# Altium PCB RFID_PCB.PcbDoc (part 3 of 4)
Units mil, origin at the board's own origin, x right, y up, seen from the top; angles counter-clockwise.
Board outline 6299.21 x 3937.01 mil, 2 copper layers (Top Layer, Bottom Layer); 297 components, 238 nets, 1087 pads, 705 vias.
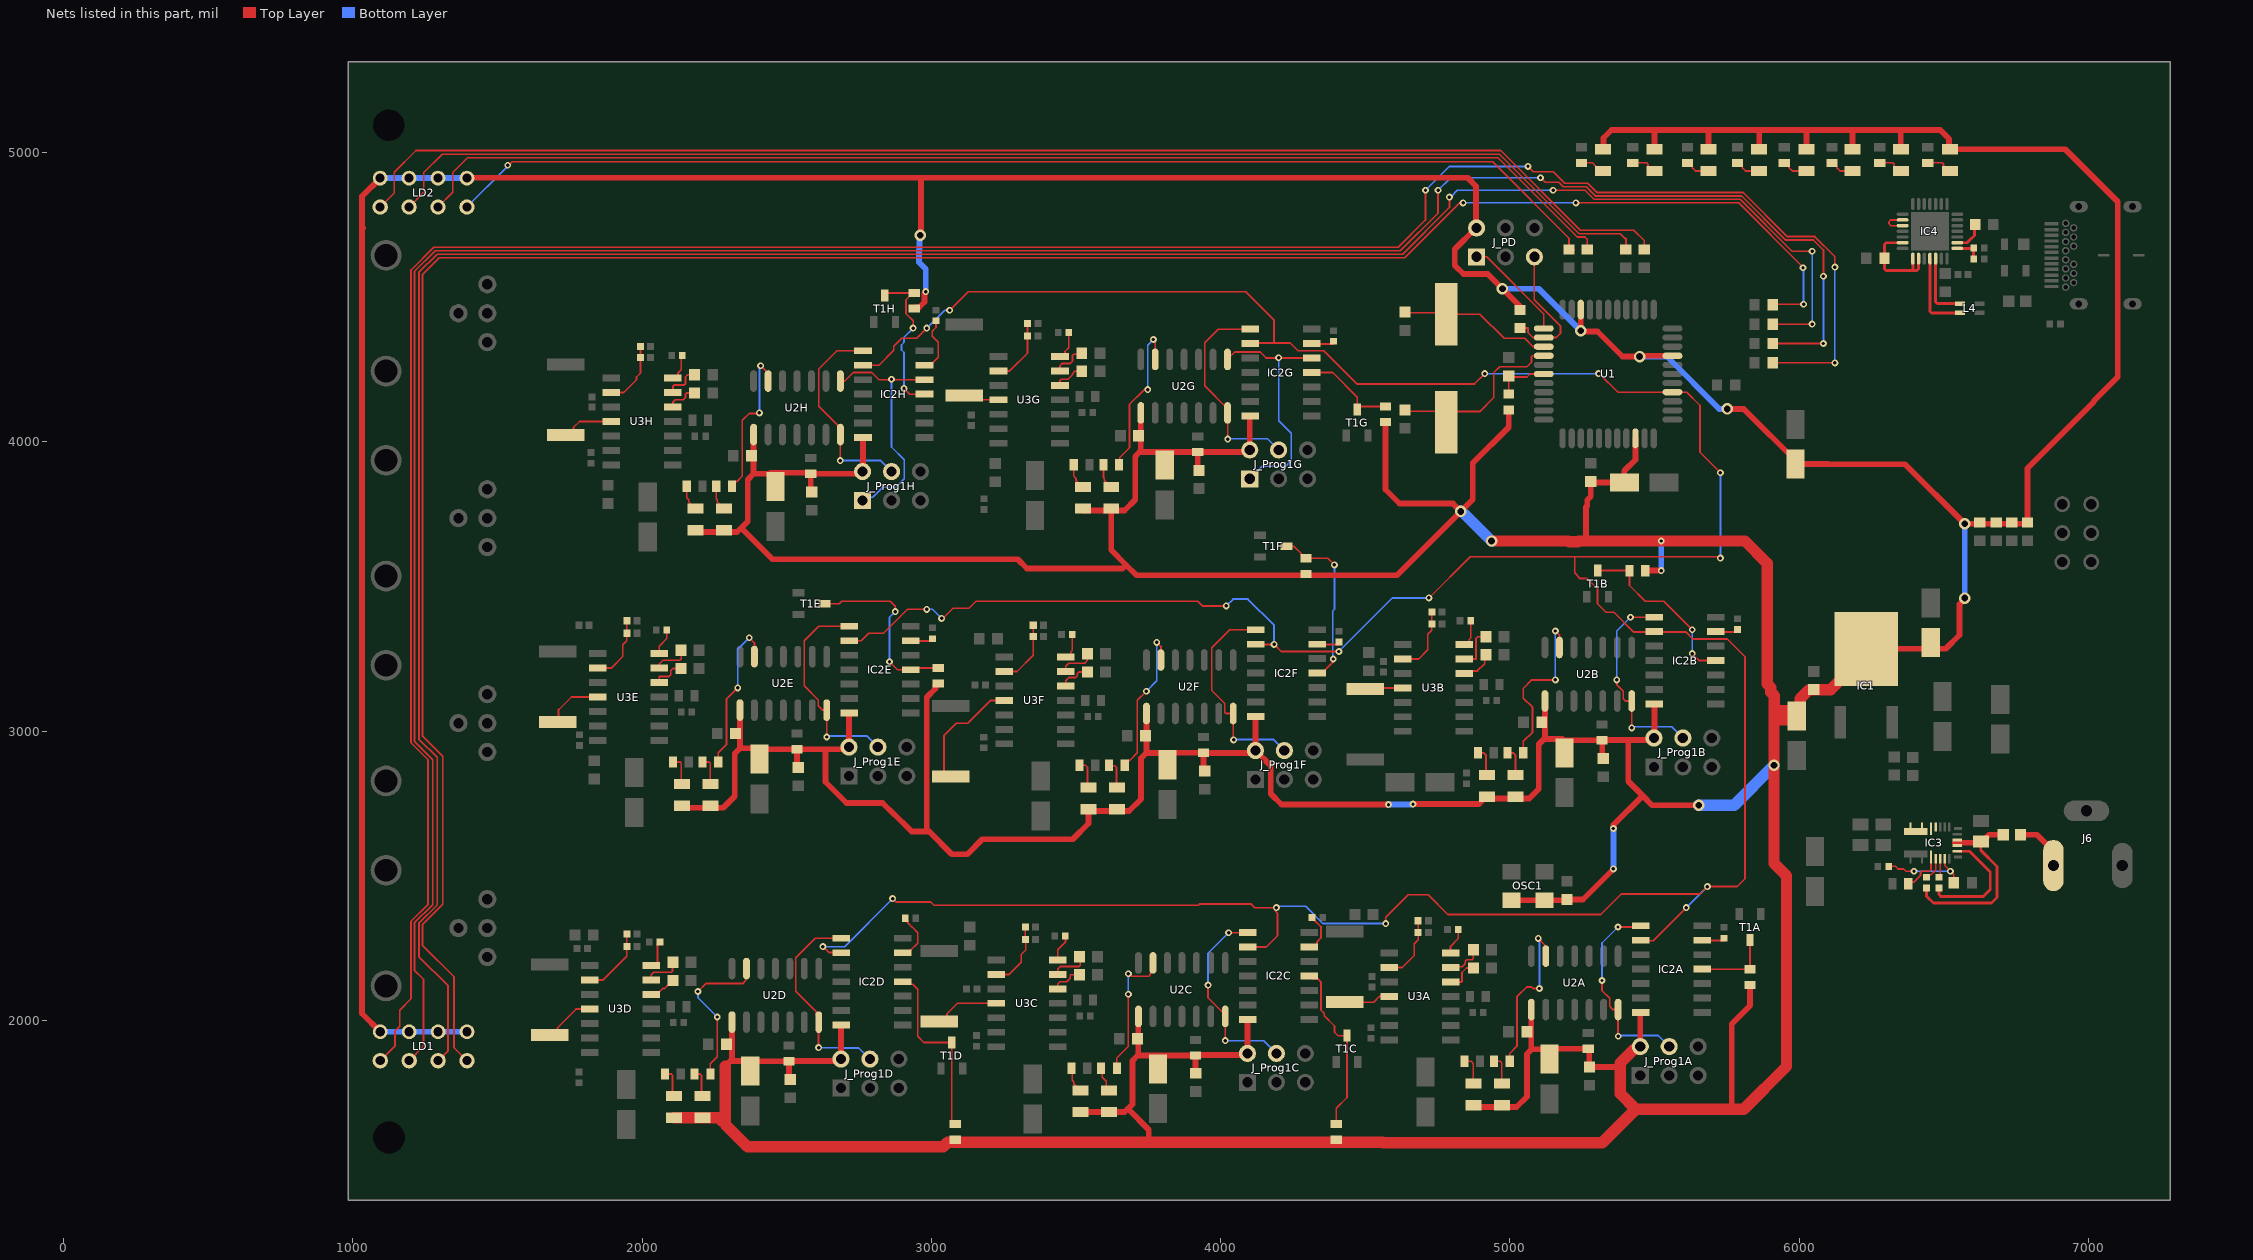
[diagram p3: the nets of this part, all layers, seen from the top]

## Via types
v1: diameter 23.62, hole 11.81, Top Layer to Bottom Layer, tented both sides, 644 vias
v2: diameter 39.37, hole 23.62, Top Layer to Bottom Layer, tented both sides, 61 vias

## Nets (pads, with @x,y where several pads share a name; then routed paths per layer and width w, separated by ;. In a path a pad name is that pad's centre, name@x,y a point inside that pad or via, vN(x,y) a via of type N, cw(c..) or ccw(c..) an arc to the next point about the centre after c; other vN are vias at no path point) (continued)
MISOG: IC2G.5 J_Prog1G.1 U2G.8 | length 854.2
  Top Layer w6: U2G.8@4024.02,4285.43 4049.55,4310.97 4136.6,4310.97 4157.41,4290.16 IC2G.5@4314.96,4290.16
  Bottom Layer w6: J_Prog1G.1@4100.79,3872.44 4144.18,3915.83 4225.12,3915.83 4244.62,3935.33 4244.62,4030.02 4200.79,4073.86 v1(4200.79,4291.34)
MISOH: IC2H.5 J_Prog1H.1 U2H.8 | length 849.7
  Top Layer w6: U2H.8@2685.43,4210.63 2700.63,4210.63 2730,4240 2794.18,4240 2818.83,4215.35 IC2H.5@2976.38,4215.35
  Bottom Layer w6: J_Prog1H.1@2762.2,3797.64 2773.19,3808.62 2797.22,3808.62 2832.27,3843.67 2876.35,3843.67 2905.8,3873.13 2905.8,3938.85 2862.2,3982.45 v1(2862.2,4216.54)
MOSI: IC2A.9 IC2B.9 IC2C.9 IC2D.9 IC2E.9 IC2F.9 IC2G.9 IC2H.9 U1.15 | length 12914.4
  Top Layer w6: v1(2625,2255) 2645,2235 2687.83,2235 IC2D.9@2688.98,2233.86 ; IC2E.9@2716.54,3312.6 2757.48,3312.6 2783.46,3338.58 2834.65,3338.58 2917.32,3421.26 v1(2984.25,3421.26) ; IC2H.9@2763.78,4265.35 2818.9,4265.35 2870.08,4316.54 2870.08,4330.71 2897.64,4358.27 2948.82,4358.27 v1(2984.25,4393.7) ; v1(2866.14,2421.26) 2877.75,2409.64 2997.1,2409.64 3008.91,2397.83 3923.51,2397.83 3928.39,2402.7 4104.95,2402.7 4117.88,2389.76 v1(4192.91,2389.76) 4189.54,2386.39 4189.54,2378 4196.85,2370.69 4196.85,2292.52 4157.87,2253.54 IC2C.9@4094.49,2253.54 ; v1@3037.4,3387.8 3074.61,3425.01 3130.11,3425.01 3154.11,3449.01 3921.07,3449.01 3937.01,3433.06 v1(4019.68,3433.06) ; v1(3062.99,4455.51) 3063.41,4455.51 3127.59,4519.69 4086.61,4519.69 4185.04,4421.26 4185.04,4342.52 ; IC2G.9@4102.36,4340.16 4104.72,4342.52 4185.04,4342.52 ; IC2F.9@4122.05,3300.79 4122.83,3300 v1(4185,3300) 4209.41,3275.59 v1(4408.93,3275.59) ; v1(4570.87,2334.65) 4570.87,2356.2 4648.86,2434.2 4717.77,2434.2 4785.83,2366.14 5314.77,2366.14 5385.83,2437.2 5657.67,2437.2 v1(5683.07,2462.6) 5785.43,2462.6 5813.57,2490.74 5813.57,3123.04 5813.44,3123.17 5813.44,3257.42 5751.97,3318.9 5633.21,3318.9 5609.58,3342.52 IC2B.9@5501.57,3342.52 ; v1(4720.47,3460.63) 4863.33,3603.49 5224.41,3603.49 5224.41,3603.23 ; v1(4913.39,4236.22) 4877.95,4200.79 4470.72,4200.79 4356.54,4314.96 4267.72,4314.96 4240.16,4342.52 4185.04,4342.52 ; v1(5307.09,4236.22) 5309.8,4236.22 5374.02,4172.01 U1.15@5562.44,4172.01 5611.46,4172.01 5657.48,4125.98 5657.48,3964.57 v1(5728.35,3893.7) ; IC2A.9@5452.76,2277.17 5454.33,2275.59 5496.06,2275.59 v1(5610.24,2389.76) ; IC2B.9@5500,3344.09 IC2B.9@5501.57,3342.52 ; v1(5728.35,3598.43) 5728.35,3603.23 5224.41,3603.23 ; 5224.41,3603.23 5224.41,3547.24 5244.09,3527.56 5267.34,3527.56 5303.15,3491.75 5303.15,3440.94 5332.68,3411.42 5360.24,3411.42 5429.13,3342.52 IC2B.9@5501.57,3342.52
  Bottom Layer w6: v1(2625,2255) 2699.88,2255 v1(2866.14,2421.26) ; v1(2984.25,3421.26) 3003.94,3421.26 v1(3035.43,3389.76) ; v1(2984.25,4393.7) 3045.81,4455.26 3062.74,4455.26 v1(3062.99,4455.51) ; v1(4019.68,3433.06) 4043.31,3456.69 4094.49,3456.69 4185,3366.18 v1(4185,3300) ; v1(4192.91,2389.76) 4197.98,2394.83 4294.15,2394.83 4354.33,2334.65 v1(4570.87,2334.65) ; v1(4408.93,3275.59) 4593.97,3460.63 v1(4720.47,3460.63) ; v1(4913.39,4236.22) v1(5307.09,4236.22) ; v1(5610.24,2389.76) v1(5683.07,2462.6) ; v1(5728.35,3598.43) v1(5728.35,3893.7)
MOSIA: IC2A.8 J_Prog1A.4 U2A.7 | length 717.9
  Top Layer w6: v1(5318.9,2137.8) 5318.9,2102.36 5345.22,2076.04 5345.22,2048.48 5356.3,2037.4 U2A.7@5374.41,2037.4 5374.41,1944.49 v1@5377.95,1940.94 ; v1(5374.02,2322.83) 5448.43,2322.83 IC2A.8@5452.76,2327.17
  Bottom Layer w6: v1(5318.9,2137.8) 5318.9,2267.72 v1(5374.02,2322.83) ; v1@5375,1942.05 v1@5377.95,1945 ; v1(5375,1945) 5377.98,1947.98 5512.65,1947.98 J_Prog1A.4@5551.18,1909.45
MOSIB: IC2B.8 J_Prog1B.4 U2B.7 | length 718.2
  Top Layer w6: v1(5370.08,3177.17) 5370.08,3160.93 5392.46,3138.54 5392.46,3111.47 5399.61,3104.33 U2B.7@5421.65,3104.33 v1(5421.65,3011.42) v1@5425.2,3007.87 ; v1(5417.32,3393.7) 5417.72,3394.09 IC2B.8@5500,3394.09
  Bottom Layer w6: v1(5370.08,3177.17) 5370.08,3346.46 v1(5417.32,3393.7) ; v1(5421.65,3011.42) 5425.14,3014.91 5559.9,3014.91 J_Prog1B.4@5598.43,2976.38
MOSIC: IC2C.8 J_Prog1C.4 U2C.7 | length 689.3
  Top Layer w6: v1(3956.69,2122.05) 3956.69,2078.27 4016.14,2018.8 U2C.7@4016.14,2013.78 v1(4016.14,1930) ; v1(4027.56,2303.15) 4094.09,2303.15 IC2C.8@4094.49,2303.54
  Bottom Layer w6: v1(3956.69,2122.05) 3956.69,2232.27 ; 3956.68,2232.28 v1(4027.56,2303.15) ; v1(4016.14,1930) 4148.74,1930 J_Prog1C.4@4192.91,1885.83
MOSID: IC2D.8 J_Prog1D.4 U2D.7 | length 723
  Top Layer w6: v1(2610,1905.81) 2610,1993.46 U2D.7@2610.63,1994.09 2610.63,2008.27 2602.49,2016.41 2602.49,2030.17 2531.5,2101.17 2531.5,2216.54 2598.82,2283.86 IC2D.8@2688.98,2283.86
  Bottom Layer w6: v1(2610,1905.81) 2679.96,1905.81 2681.1,1904.67 2748.87,1904.67 J_Prog1D.4@2787.4,1866.14
MOSIE: IC2E.8 J_Prog1E.4 U2E.7 | length 749.4
  Top Layer w6: v1@2641.73,2976.38 v1(2638.19,2979.92) U2E.7@2638.19,3072.83 2624.02,3072.83 2609,3087.85 2609,3107.92 2560.18,3156.73 2560.18,3312.15 2610.63,3362.6 IC2E.8@2716.54,3362.6
  Bottom Layer w6: v1(2638.19,2979.92) 2641.8,2983.53 2776.47,2983.53 J_Prog1E.4@2815,2945
MOSIF: IC2F.8 J_Prog1F.4 U2F.7 | length 741.6
  Top Layer w6: v1@4047.24,2964.57 4047.24,2970 4043.7,2973.54 U2F.7@4043.7,3061.02 4017.72,3061.02 4014.51,3064.23 4014.51,3095.72 3969.63,3140.61 3969.63,3288.53 4031.89,3350.79 IC2F.8@4122.05,3350.79
  Bottom Layer w6: v1(4045,2970) 4046.6,2971.6 4181.94,2971.6 J_Prog1F.4@4220.47,2933.07
MOSIG: IC2G.8 J_Prog1G.4 U2G.7 | length 738.7
  Top Layer w6: v1@4025,4006.5 v1@4027.56,4003.94 ; v1(4025,4010) 4025,4099.41 U2G.7@4024.02,4100.39 4024.02,4115 3944.88,4194.14 3944.88,4342.52 3992.52,4390.16 IC2G.8@4102.36,4390.16
  Bottom Layer w6: v1(4025,4010) 4025.97,4010.97 4162.26,4010.97 J_Prog1G.4@4200.79,3972.44
MOSIH: IC2H.8 J_Prog1H.4 U2H.7 | length 720.5
  Top Layer w6: v1(2685,3935.64) 2685,4025.16 U2H.7@2685.43,4025.59 2685.43,4048.72 2610.63,4123.53 2610.63,4252.36 2673.62,4315.35 IC2H.8@2763.78,4315.35
  Bottom Layer w6: v1(2685,3935.64) 2685.53,3936.17 2823.68,3936.17 J_Prog1H.4@2862.2,3897.64
NetC4A_2: C4A.2 C30A.2 U3A.2 | length 229.8
  Top Layer w6: U3A.2@4582.68,2182.68 4627.68,2182.68 4669.29,2224.29 4669.29,2264.96 4683.07,2278.74 C4A.2@4683.07,2303.15 C30A.2@4683.07,2344.56
NetC4B_2: C4B.2 C30B.2 U3B.2 | length 235.4
  Top Layer w6: U3B.2@4629.92,3249.61 4684.61,3249.61 4716.54,3281.54 4716.54,3334.65 4730.31,3348.43 C4B.2@4730.31,3370.08 C30B.2@4730.31,3411.42
NetC4C_2: C4C.2 C30C.2 U3C.2 | length 233.1
  Top Layer w6: U3C.2@3224.41,2159.06 3269.06,2159.06 3311.02,2201.02 3311.02,2227.76 3326.77,2243.5 3326.77,2277.56 C4C.2@3324.8,2279.53 C30C.2@3324.8,2322.83
NetC4D_2: C4D.2 C30D.2 U3D.2 | length 239.5
  Top Layer w6: U3D.2@1818.9,2139.37 1864.37,2139.37 1946.85,2221.85 C4D.2@1946.85,2255 C30D.2@1946.85,2299.21
NetC4E_2: C4E.2 C30E.2 U3E.2 | length 232.7
  Top Layer w6: U3E.2@1846.46,3218.11 1893.11,3218.11 1933.07,3258.07 1933.07,3298.33 1946.85,3312.11 C4E.2@1946.85,3338.58 C30E.2@1946.85,3381.89
NetC4F_2: C4F.2 C30F.2 U3F.2 | length 227.4
  Top Layer w6: U3F.2@3251.97,3206.3 3296.3,3206.3 3352.36,3262.36 C4F.2@3352.36,3326.77 C30F.2@3352.36,3366.14
NetC4G_2: C4G.2 C30G.2 U3G.2 | length 227.9
  Top Layer w6: U3G.2@3232.28,4245.67 3270.67,4245.67 3332.68,4307.68 C4G.2@3332.68,4366.14 C30G.2@3332.68,4409.45
NetC4H_2: C4H.2 C30H.2 U3H.2 | length 226.1
  Top Layer w6: U3H.2@1893.7,4170.87 1935.87,4170.87 1980.32,4215.31 1980.32,4224.41 1994.09,4238.19 C30H.2@1994.09,4330.71
NetC7_2: C7.2 L1.1 U1.39 | length 187.8
  Top Layer w6: L1.1@4996.06,4162.56 L1.1@4996.06,4165.35 4996.06,4224.57 5059.57,4224.57 5070,4235 U1.39@5117.56,4235
NetC8_2: C8.2 Q1.1 U1.37 | length 624
  Top Layer w6: C8.2@4637.8,4110.24 4641.54,4106.5 4818.5,4106.5 4820,4105 4896.34,4105 4944.88,4153.54 4944.88,4240.16 4964.72,4260 5059.4,4260 5075,4275.6 5075,4295 5077.99,4297.99 U1.37@5117.56,4297.99
NetC9_2: C9.2 Q1.2 U1.36 | length 540.7
  Top Layer w6: C9.2@4625.98,4444.88 4627.6,4446.5 4815.51,4446.5 4820,4442.01 4896.57,4442.01 4980.31,4358.27 5051.18,4358.27 5079.45,4330 5117.05,4330 U1.36@5117.56,4329.49
NetC14A_2: C14A.2 U3A.13 | length 126.6
  Top Layer w6: U3A.13@4795.28,2182.68 4797.6,2185 4835,2185 4846.31,2196.31 4846.31,2204.52 4851.59,2209.79 4869.79,2209.79 4874.02,2214.02 C14A.2@4874.02,2244.09
NetC14B_2: C14B.2 U3B.13 | length 148.3
  Top Layer w6: U3B.13@4842.52,3249.61 4883.46,3249.61 4883.46,3320.47 4889.76,3326.77 C14B.2@4917.32,3326.77
NetC14C_2: C14C.2 U3C.13 | length 132.2
  Top Layer w6: U3C.13@3437.01,2159.06 3437.01,2177.17 3446.01,2186.17 3511.17,2186.17 3515,2190 3515,2219.72 C14C.2@3515.75,2220.47
NetC14D_2: C14D.2 U3D.13 | length 129.8
  Top Layer w6: U3D.13@2031.5,2139.37 2031.5,2157.48 2040.5,2166.48 2101.48,2166.48 2105,2170 2105,2195.55 C14D.2@2110.24,2200.79
NetC14E_2: C14E.2 U3E.13 | length 128.1
  Top Layer w6: U3E.13@2059.05,3218.11 2059.05,3232.28 2071.99,3245.22 2130.22,3245.22 2135,3250 2135,3276.73 C14E.2@2137.8,3279.53
NetC14F_2: C14F.2 U3F.13 | length 124.6
  Top Layer w6: U3F.13@3464.57,3206.3 3464.57,3224.57 3475,3235 3530,3235 3539.37,3244.37 C14F.2@3539.37,3267.72
NetC14G_2: C14G.2 U3G.13 | length 126.3
  Top Layer w6: U3G.13@3444.88,4245.67 3444.88,4263.78 3452.76,4271.65 3480.31,4271.65 3488.19,4279.53 3488.19,4299.21 3492.44,4303.46 3520,4303.46 C14G.2@3523.62,4307.09
NetC14H_2: C14H.2 U3H.13 | length 127
  Top Layer w6: U3H.13@2106.3,4170.87 2106.3,4192.91 2110.24,4196.85 2145.67,4196.85 2149.61,4200.79 2149.61,4224.41 2157.48,4232.28 C14H.2@2181.1,4232.28
NetC15A_2: C15A.2 U3A.12 | length 116.8
  Top Layer w6: U3A.12@4795.28,2132.68 4832.74,2132.68 4834.65,2134.58 4834.65,2165.35 4850.39,2181.1 C15A.2@4874.02,2181.1
NetC15B_2: C15B.2 U3B.12 | length 118.3
  Top Layer w6: U3B.12@4842.52,3199.61 4851.33,3208.42 4888.04,3208.42 4913.39,3233.76 4913.39,3255.91 C15B.2@4921.26,3263.78
NetC15C_2: C15C.2 U3C.12 | length 115.6
  Top Layer w6: U3C.12@3437.01,2109.06 3437.01,2125.98 3444.88,2133.86 3468.5,2133.86 3480.32,2145.67 3480.32,2157.48 C15C.2@3511.81,2157.48 C15C.2@3515.75,2157.48
NetC15D_2: C15D.2 U3D.12 | length 99.5
  Top Layer w6: U3D.12@2031.5,2089.37 2050.2,2089.37 2059.01,2098.18 2059.01,2098.38 2070.87,2110.24 2077.71,2110.24 2088.58,2121.11 2090.6,2121.11 2106.3,2136.81 C15D.2@2106.3,2137.8 C15D.2@2110.24,2137.8
NetC15E_2: C15E.2 U3E.12 | length 119.1
  Top Layer w6: U3E.12@2059.05,3168.11 2059.05,3188.98 2092.52,3188.98 2098.57,3195.02 2098.57,3208.8 2106.3,3216.54 C15E.2@2133.86,3216.54 C15E.2@2137.8,3216.54
NetC15F_2: C15F.2 U3F.12 | length 114.4
  Top Layer w6: U3F.12@3464.57,3156.3 3464.57,3174.57 3475.49,3185.49 3498.81,3185.49 3504.08,3190.76 3504.08,3199.08 3509.72,3204.72 C15F.2@3539.37,3204.72 C15F.2@3543.31,3204.72
NetC15G_2: C15G.2 U3G.12 | length 111
  Top Layer w6: U3G.12@3444.88,4195.67 3444.88,4212.6 3448.82,4216.54 3472.44,4216.54 3488.19,4232.28 3488.19,4236.22 3496.06,4244.09 C15G.2@3519.68,4244.09 C15G.2@3523.62,4244.09
NetC15H_2: C15H.2 U3H.12 | length 115.6
  Top Layer w6: U3H.12@2106.3,4120.87 2106.3,4137.8 2114.17,4145.67 2141.73,4145.67 2149.61,4153.54 2149.61,4165.35 2153.54,4169.29 C15H.2@2181.1,4169.29 C15H.2@2185.04,4169.29
NetC25_2: C25.2 IC3.17 IC3.18 L3.2 R26.1 | length 686.5
  Top Layer w10: R26.1@6440.94,2457.87 6440.94,2429.13 6464.57,2405.51 6665.35,2405.51 6685.04,2425.2 6685.04,2531.66 6628.4,2588.3 6628.4,2616.58 C25.2@6629.92,2618.11
  Top Layer w20: 6539.37,2613.92 6625.73,2613.92 C25.2@6628.4,2616.58 ; C25.2@6629.92,2618.11 6636.81,2618.11 6647.48,2628.78 6647.48,2632.2 6657.01,2641.73 L3.2@6706.69,2641.73
NetDL1A_1: DL1A.1 R15A.2 | length 97
  Top Layer w6: R15A.2@4842.91,1858.27 4866.73,1858.27 4874.02,1850.98 DL1A.1@4874.02,1788.11
NetDL1B_1: DL1B.1 R15B.2 | length 95.1
  Top Layer w6: R15B.2@4890.16,2925.2 4889.76,2924.8 4909.84,2924.8 4917.32,2917.32 4917.32,2858.98 DL1B.1@4921.26,2855.04
NetDL1C_1: DL1C.1 R15C.2 | length 87.6
  Top Layer w6: R15C.2@3484.65,1834.65 3487.01,1832.28 3487.01,1793.23 3491.89,1788.35 3491.89,1780.48 3507.89,1764.49 DL1C.1@3515.75,1764.49
NetDL1D_1: DL1D.1 R15D.2 | length 95.3
  Top Layer w6: R15D.2@2079.13,1814.96 2100.04,1814.96 2105,1810 2105,1750.04 DL1D.1@2110.24,1744.8
NetDL1E_1: DL1E.1 R15E.2 | length 97.5
  Top Layer w6: R15E.2@2106.69,2893.7 2131.3,2893.7 2135,2890 2135,2826.34 DL1E.1@2137.8,2823.54
NetDL1F_1: DL1F.1 R15F.2 | length 95.3
  Top Layer w6: R15F.2@3512.2,2881.89 3533.11,2881.89 3540,2875 3540,2815.04 DL1F.1@3543.31,2811.73
NetDL1G_1: DL1G.1 R15G.2 | length 87.6
  Top Layer w6: R15G.2@3492.52,3921.26 3492.52,3882.2 3499.76,3874.96 3499.76,3867.1 3515.76,3851.1 DL1G.1@3523.62,3851.1
NetDL1H_1: DL1H.1 R15H.2 | length 87.6
  Top Layer w6: R15H.2@2153.94,3846.46 2153.94,3807.4 2161.18,3800.16 2161.18,3792.3 2177.18,3776.3 DL1H.1@2185.04,3776.3
NetDL2A_1: DL2A.1 R17A.2 | length 94
  Top Layer w6: R17A.2@4945.28,1858.27 4966.73,1858.27 4972.44,1852.56 DL2A.1@4972.44,1788.11
NetDL2B_1: DL2B.1 R17B.2 | length 93.5
  Top Layer w6: R17B.2@4992.52,2925.2 4992.13,2924.8 5012.2,2924.8 5019.69,2917.32 DL2B.1@5019.69,2855.04
NetDL2C_1: DL2C.1 R17C.2 | length 81.4
  Top Layer w6: R17C.2@3587.01,1834.65 3587.01,1829.33 3590.55,1825.79 3590.55,1803.15 3604.73,1788.97 3604.73,1773.93 DL2C.1@3614.17,1764.49
NetDL2D_1: DL2D.1 R17D.2 | length 92.3
  Top Layer w6: R17D.2@2181.5,1814.96 2200.04,1814.96 2205,1810 2205,1748.46 DL2D.1@2208.66,1744.8
NetDL2E_1: DL2E.1 R17E.2 | length 94.4
  Top Layer w6: R17E.2@2209.06,2893.7 2231.3,2893.7 2235,2890 2235,2824.76 DL2E.1@2236.22,2823.54
NetDL2F_1: DL2F.1 R17F.2 | length 92.3
  Top Layer w6: R17F.2@3614.57,2881.89 3616.46,2880 3635,2880 3640,2875 3640,2813.46 DL2F.1@3641.73,2811.73
NetDL2G_1: DL2G.1 R17G.2 | length 86
  Top Layer w6: R17G.2@3594.88,3921.26 3594.88,3878.27 3598.19,3874.96 3598.19,3867.1 3614.19,3851.1 DL2G.1@3622.05,3851.1
NetDL2H_1: DL2H.1 R17H.2 | length 86
  Top Layer w6: R17H.2@2256.3,3846.46 2256.3,3803.46 2259.61,3800.16 2259.61,3792.3 2275.6,3776.3 DL2H.1@2283.46,3776.3
NetDL3_1: DL3.1 R35.2 | length 94.3
  Top Layer w6: R35.2@6444.88,4964.96 6495.07,4964.96 6499.83,4960.2 6499.83,4951.91 6514.55,4937.2 DL3.1@6522.83,4937.2
NetDL4_1: DL4.1 R36.2 | length 89.4
  Top Layer w6: R36.2@5787.4,4964.96 5792.72,4964.96 5803.89,4953.79 5803.89,4948.47 5815.17,4937.2 DL4.1@5862.2,4937.2
NetDL5_1: DL5.1 R37.2 | length 88.8
  Top Layer w6: R37.2@6279.53,4964.96 6324.2,4964.96 6328.97,4960.2 6328.97,4951.91 6343.68,4937.2 DL5.1@6351.97,4937.2
NetDL6_1: DL6.1 R38.2 | length 87.8
  Top Layer w6: R38.2@5614.17,4964.96 5619.49,4964.96 5630.66,4953.79 5630.66,4948.47 5641.94,4937.2 DL6.1@5687.4,4937.2
NetDL7_1: DL7.1 R39.2 | length 85.5
  Top Layer w6: R39.2@6114.17,4964.96 6119.49,4964.96 6130.66,4953.79 6130.66,4948.47 6141.94,4937.2 DL7.1@6185.04,4937.2
NetDL8_1: DL8.1 R40.2 | length 91.9
  Top Layer w6: R40.2@5425.2,4964.96 5473.02,4964.96 5477.78,4960.2 5477.78,4951.91 5492.5,4937.2 DL8.1@5500.79,4937.2
NetDL9_1: DL9.1 R41.2 | length 91.8
  Top Layer w6: R41.2@5948.82,4964.96 5954.13,4964.96 5965.31,4953.79 5965.31,4948.47 5976.58,4937.2 DL9.1@6025.98,4937.2
NetDL10_1: DL10.1 R42.2 | length 86.4
  Top Layer w6: R42.2@5248.03,4964.96 5286,4964.96 5297.49,4953.47 5297.49,4951.91 5312.2,4937.2 DL10.1@5322.05,4937.2
NetIC2A_4: IC2A.4 R21A.1 T1A.3 | length 266.3
  Top Layer w6: IC2A.4@5665.35,2177.17 5830.5,2177.17 R21A.1@5830.71,2176.96 ; T1A.3@5830.71,2277.56 R21A.1@5830.71,2176.96 ; R21A.1@5830.9,2176.77 R21A.1@5830.71,2176.96
NetIC2A_6: IC2A.6 R18A.2 | length 75.3
  Top Layer w6: IC2A.6@5665.35,2277.17 5666.54,2275.98 R18A.2@5740.16,2275.98
NetIC2B_4: IC2B.4 R21B.1 T1B.3 | length 616
  Top Layer w6: T1B.3@5303.91,3555.28 5413.62,3555.28 R21B.1@5413.78,3555.12 5413.78,3503.54 5468.5,3448.82 5532.72,3448.82 v1(5631.14,3350.39) ; v1(5631.14,3268.11) 5655.16,3244.09 IC2B.4@5712.6,3244.09
  Bottom Layer w6: v1(5631.14,3268.11) v1(5631.14,3350.39)
NetIC2B_6: IC2B.6 R18B.2 | length 75.3
  Top Layer w6: IC2B.6@5712.6,3344.09 5713.78,3342.91 R18B.2@5787.4,3342.91
NetIC2C_4: IC2C.4 R21C.1 T1C.3 | length 611.3
  Top Layer w6: IC2C.4@4307.09,2153.54 4315.9,2144.73 4335.58,2144.73 4346.93,2133.39 4346.93,2035.73 4358.6,2024.05 4358.6,2015.75 4393.7,1980.65 4393.7,1959.45 4405.91,1947.24 T1C.3@4437.01,1947.24 4437.01,1733.51 4399.61,1696.1 R21C.1@4399.61,1641.34
NetIC2C_6: IC2C.6 R18C.2 | length 143.6
  Top Layer w6: IC2C.6@4308.27,2252.36 IC2C.6@4307.09,2253.54 4324.17,2253.54 4332.98,2262.35 4332.98,2270.7 4346.93,2284.65 4346.93,2324.43 4324.51,2346.84 4324.51,2347.79 R18C.2@4316.09,2356.2
NetIC2D_4: IC2D.4 R21D.1 T1D.3 | length 639.1
  Top Layer w6: IC2D.4@2901.57,2133.86 2910.39,2125.05 2935.13,2125.05 2953.09,2107.09 2953.09,1944.55 2974.02,1923.62 T1D.3@3070.87,1923.62 3070.87,1652.51 3082.04,1641.34 R21D.1@3082.61,1641.34
NetIC2D_6: IC2D.6 R18D.2 | length 171.6
  Top Layer w6: IC2D.6@2902.76,2232.68 IC2D.6@2901.57,2233.86 2920.28,2233.86 2929.09,2242.67 2929.09,2243.5 2952.76,2267.17 2952.76,2303.54 2933.46,2322.83 2932.51,2322.83 2917.87,2337.48 2917.87,2344.69 R18D.2@2909.45,2353.11
NetIC2E_4: IC2E.4 R21E.1 T1E.3 | length 637.4
  Top Layer w6: T1E.3@2630.71,3440.94 2681.5,3440.94 2689.56,3449.01 2858.27,3449.01 2875.2,3432.08 v1(2875.2,3413.39) ; v1(2855.22,3240.16) 2882.78,3212.6 IC2E.4@2929.13,3212.6 2935.35,3218.82 R21E.1@3023.62,3218.82
  Bottom Layer w6: v1(2855.22,3240.16) 2855.22,3393.41 v1(2875.2,3413.39)
NetIC2E_6: IC2E.6 R18E.2 | length 75.3
  Top Layer w6: IC2E.6@2929.13,3312.6 2930.32,3311.42 R18E.2@3003.94,3311.42
NetIC2F_4: IC2F.4 R21F.1 T1F.3 | length 605.6
  Top Layer w6: T1F.3@4227.15,3639.76 4253.54,3639.76 4278.79,3614.52 4278.79,3609.2 4289.96,3598.03 R21F.1@4295.28,3598.03 4370.47,3598.03 v1(4393.7,3574.8) ; IC2F.4@4334.65,3200.79 4350.39,3200.79 4389.76,3240.16 v1(4389.76,3249.61)
  Bottom Layer w6: v1(4389.76,3249.61) 4388.12,3251.25 4388.12,3415.71 4393.7,3421.29 v1(4393.7,3574.8)
NetIC2F_6: IC2F.6 R18F.2 | length 75.3
  Top Layer w6: IC2F.6@4334.65,3300.79 4335.83,3299.61 R18F.2@4409.45,3299.61
NetIC2G_4: IC2G.4 R21G.1 T1G.3 | length 337.7
  Top Layer w6: IC2G.4@4314.96,4240.16 4387.4,4240.16 4472.44,4155.12 T1G.3@4472.44,4113.04 ; T1G.3@4472.44,4112.2 T1G.3@4472.44,4113.04 ; R21G.1@4570.49,4122.83 4482.24,4122.83 T1G.3@4472.44,4113.04
NetIC2G_6: IC2G.6 R18G.2 | length 75.3
  Top Layer w6: IC2G.6@4314.96,4340.16 4316.14,4338.98 R18G.2@4389.76,4338.98
NetIC2H_4: IC2H.4 R21H.1 T1H.3 | length 555.9
  Top Layer w6: T1H.3@2838.58,4505.91 2848.03,4515.35 R21H.1@2935.63,4515.35 ; v1(2905.51,4185.04) 2925.2,4165.35 IC2H.4@2976.38,4165.35 ; v1(2937.01,4393.7) 2937.01,4418.57 2912.46,4443.12 2912.46,4492.13 2924.46,4504.13 2924.46,4504.18 R21H.1@2935.63,4515.35 ; R21H.1@2940.94,4515.35 R21H.1@2935.63,4515.35
  Bottom Layer w6: v1(2905.51,4185.04) 2905.51,4309.15 2896.51,4318.15 2896.51,4335.39 2905.51,4344.39 2905.51,4362.2 v1(2937.01,4393.7)
NetIC2H_6: IC2H.6 R18H.2 | length 199.7
  Top Layer w6: IC2H.6@2977.56,4264.17 IC2H.6@2976.38,4265.35 2985.19,4274.17 3004.48,4274.17 3023.62,4293.31 3023.62,4344.38 3002.8,4365.19 3002.8,4382.64 3015.89,4395.72 R18H.2@3015.89,4418.5
NetIC3_4: IC3.4 IC3.5 IC3.6 IC3.7
NetIC3_10: IC3.10 R28.1 | length 149
  Top Layer w6: R28.1@6377.56,2472.44 6383.14,2478.02 6397.22,2478.02 6419.74,2500.55 6419.74,2510.03 6425.01,2515.3 6451.35,2515.3 6456.69,2520.64 IC3.10@6456.69,2564.96
NetIC3_11: IC3.11 R26.2 | length 81.3
  Top Layer w6: R26.2@6440.94,2494.88 6449.36,2503.3 6456.32,2503.3 6472.44,2519.42 IC3.11@6472.44,2559.06
NetIC3_12: IC3.12 R29.1 | length 65.8
  Top Layer w6: R29.1@6484.25,2494.88 6488.19,2498.82 IC3.12@6488.19,2559.06
NetIC3_13: IC3.13 R27.1 R30.2 | length 311.4
  Top Layer w6: R27.1@6314.96,2532.68 6333.46,2532.68 6342.52,2523.62 6362.2,2523.62 6370.08,2515.74 v1(6397.62,2515.74) ; IC3.13@6503.94,2559.06 6503.94,2535.43 v1(6523.62,2515.75) 6523.62,2515.23 6535.43,2503.42 R30.2@6535.43,2476.38
  Bottom Layer w6: v1(6397.62,2515.74) v1(6523.62,2515.75)
NetIC3_16: IC3.16 R29.2 | length 416.4
  Top Layer w10: R29.2@6484.25,2457.87 6484.25,2434.85 6490.11,2428.99 6637.65,2428.99 6661.42,2452.76 6661.42,2512.77 6589.54,2584.65 IC3.16@6547.24,2584.65
NetIC4_1: IC4.1 IC4.2 IC4.27 R32.1 | length 352.4
  Top Layer w10: IC4.27@6358.27,4688.98 6301.13,4688.98 6295.28,4683.12 6295.28,4598.38 6301.13,4592.52 6387.84,4592.52 ; IC4.1@6393.7,4633.86 6393.7,4598.38 6387.84,4592.52 ; IC4.2@6413.39,4633.86 6413.39,4598.38 6407.53,4592.52 6387.84,4592.52
NetIC4_4: IC4.4 L4.3 | length 288.9
  Top Layer w10: IC4.4@6452.76,4633.86 6452.76,4451.92 6458.61,4446.06 L4.3@6557.31,4446.06
NetIC4_5: IC4.5 L4.2 | length 236.5
  Top Layer w10: IC4.5@6472.44,4633.86 6472.44,4484.46 6478.3,4478.6 L4.2@6557.09,4478.6
NetIC4_8: IC4.8 R31.1 R33.2 | length 95.3
  Top Layer w10: IC4.8@6547.24,4669.29 6601.69,4669.29 R33.2@6603.54,4671.14 R31.1@6603.54,4632.9
NetIC4_9: IC4.9 R34.1 | length 95.3
  Top Layer w10: IC4.9@6547.24,4688.98 6581.02,4688.98 6595.35,4703.31 6596.14,4703.31 6606.3,4713.46 R34.1@6606.3,4733.95 ; R34.1@6618.11,4748.03 R34.1@6622.05,4751.97
NetIC4_23: IC4.23 IC4.24 | length 106.4
  Top Layer w6: IC4.24@6358.27,4748.03 6317.52,4748.03 6311.02,4754.53 6311.02,4761.02 6317.72,4767.72 IC4.23@6358.27,4767.72
NetJ6_3: J6.3 L3.1 | length 187
  Top Layer w20: L3.1@6765.75,2641.73 6822.83,2641.73 6866.14,2598.43 6866.14,2549.21 J6.3@6879.92,2535.43
NetJ_PD_1: J_PD.1 U1.34 | length 364.4
  Top Layer w6: J_PD.1@4885,4640 4920,4640 5117.56,4442.44 U1.34@5117.56,4392.48
NetJ_PD_5: J_PD.5 R9.1 U1.35 | length 472.2
  Top Layer w6: R9.1@5035.43,4398.03 5039.76,4393.7 5062.99,4393.7 5062.99,4377.95 5079.96,4360.98 U1.35@5117.56,4360.98 5160.98,4360.98 5175,4375 5175,4401.97 5085,4491.97 J_PD.5@5085,4640
NetLD1_1: LD1.1 R1.1 | length 8670
  Top Layer w6: LD1.1@1094.49,1860.63 1145.67,1911.81 1145.67,1964.57 1161.42,1980.31 1161.42,2035.43 1200.6,2074.61 1200.6,2342.33 1259.84,2401.57 1259.84,2900.35 1200.6,2959.6 1200.6,4594.3 1279.53,4673.23 4614.17,4673.23 4708.66,4767.72 v1(4708.66,4870.08) ; v1(5062.99,4952.76) 5081.55,4934.2 5149.7,4934.2 5189.82,4894.08 5269.78,4894.08 5301.09,4862.77 5806.15,4862.77 5958.85,4710.07 6054.93,4710.07 6123.9,4641.1 v1(6123.9,4604.45) ; R1.1@5909.02,4273.5 v1(6123.9,4273.5)
  Bottom Layer w6: v1(4708.66,4870.08) 4791.34,4952.76 v1(5062.99,4952.76) ; v1(6123.9,4273.5) v1(6123.9,4604.45)
NetLD1_3: LD1.3 R2.1 | length 8468.8
  Top Layer w6: LD1.3@1194.49,1860.63 1244.09,1910.24 1244.09,2141.73 1212.6,2173.23 1212.6,2337.09 1275.59,2400.08 1275.59,2901.57 1212.6,2964.57 1212.6,4589.33 1284.5,4661.23 4621.86,4661.23 4751.97,4791.34 v1(4751.97,4870.08) ; v1(5106.3,4913.39) 5122.05,4897.64 5169.29,4897.64 5184.85,4882.08 5264.81,4882.08 5296.12,4850.77 5801.18,4850.77 5953.88,4698.07 6049.96,4698.07 6084.53,4663.5 v1(6084.53,4572.95) ; R2.1@5909.02,4340.43 v1(6084.53,4340.43)
  Bottom Layer w6: v1(4751.97,4870.08) 4795.28,4913.39 v1(5106.3,4913.39) ; v1(6084.53,4340.43) v1(6084.53,4572.95)
NetLD1_5: LD1.5 R3.1 | length 8265.4
  Top Layer w6: LD1.5@1294.49,1860.63 1329.08,1895.22 1329.08,2119.74 1228.16,2220.66 1228.16,2335.68 1291.34,2398.86 1291.34,2909.45 1228.16,2972.63 1228.16,4586.43 1290.96,4649.23 4629.54,4649.23 4791.34,4811.02 v1(4791.34,4846.46) ; v1(5149.61,4870.08) 5259.84,4870.08 5291.15,4838.77 5796.21,4838.77 5975.65,4659.33 v1(6045.39,4659.33) ; R3.1@5909.02,4407.36 v1(6045.39,4407.36)
  Bottom Layer w6: v1(4791.34,4846.46) 4795.28,4846.46 4818.9,4870.08 v1(5149.61,4870.08) ; v1(6045.39,4407.36) v1(6045.39,4659.33)
NetLD1_7: LD1.7 R4.1 | length 8045.2
  Top Layer w6: LD1.7@1394.49,1860.63 1349.41,1905.71 1349.41,2150.59 1240.16,2259.84 1240.16,2330.71 1310.73,2401.28 1310.73,2913.68 1240.16,2984.25 1240.16,4578.55 1298.83,4637.23 4637.23,4637.23 4826.77,4826.77 v1(4838.58,4826.77) ; v1(5228.35,4826.77) 5791.24,4826.77 6013.78,4604.23 v1(6013.78,4602.36) ; R4.1@5909.02,4474.29 5911.1,4476.38 v1(6015.75,4476.38)
  Bottom Layer w6: v1(4838.58,4826.77) v1(5228.35,4826.77) ; v1(6013.78,4602.36) 6015.75,4600.39 v1(6015.75,4476.38)
NetLD2_1: LD2.1 R5.1 | length 4654.1
  Top Layer w6: LD2.1@1094.09,4812.2 1142.69,4860.8 1142.69,4932.69 1217.87,5007.87 4968.5,5007.87 5244.09,4732.28 5429.13,4732.28 5465,4696.42 R5.1@5465,4665.35
NetLD2_3: LD2.3 R6.1 | length 4484.8
  Top Layer w6: LD2.3@1194.09,4812.2 1245,4863.11 1245,4931.83 1308.17,4995 4964.41,4995 5239.12,4720.28 5381.89,4720.28 5399.51,4702.66 5401.57,4704.72 R6.1@5401.57,4665.35
NetLD2_5: LD2.5 R7.1 | length 4238.3
  Top Layer w6: LD2.5@1294.09,4812.2 1345,4863.11 1345,4931.83 1396.17,4983 4959.44,4983 5234.15,4708.28 5260.22,4708.28 5267.72,4700.79 R7.1@5267.72,4665.35 R7.1@5267.72,4664.02
NetLD2_7: LD2.7 R8.1 | length 4032.9
  Top Layer w6: v1@1531.5,4949.61 1550.39,4968.5 4940.94,4968.5 5204.72,4704.72 5204.72,4682.28 R8.1@5222.99,4664.02
  Bottom Layer w6: LD2.7@1394.09,4812.2 v1@1531.5,4949.61
  other v1: 1535.43,4956.69
NetR17A_1: R17A.1 U2A.13 | length 574.1
  Top Layer w6: R17A.1@4999.61,1858.27 4999.61,1885.58 5024.66,1910.63 5024.66,2081.65 5058.3,2115.3 5075.54,2115.3 5080.6,2110.24 v1(5102.36,2110.24) ; v1(5098.43,2283.46) 5121.04,2260.85 5121.04,2225.81 U2A.13@5124.41,2222.44
  Bottom Layer w6: v1(5098.43,2283.46) 5102.36,2279.53 v1(5102.36,2110.24)
NetR17B_1: R17B.1 U2B.13 | length 604
  Top Layer w6: R17B.1@5046.85,2925.2 5046.85,2964.57 5078.74,2996.46 5078.74,3082.28 5046.85,3114.17 5046.85,3147.71 5076.31,3177.17 v1(5157.48,3177.17) ; v1(5157.48,3346.46) 5171.65,3332.28 U2B.13@5171.65,3289.37
  Bottom Layer w6: v1(5157.48,3177.17) v1(5157.48,3346.46)
NetR17C_1: R17C.1 U2C.13 | length 470.4
  Top Layer w6: R17C.1@3641.34,1834.65 3641.34,1870.08 3681.1,1909.84 v1(3681.1,2090.55) ; v1(3681.1,2161.42) 3684.43,2161.42 3693.43,2152.42 3752.39,2152.42 3755.91,2155.93 3755.91,2160.9 3766.14,2171.14 U2C.13@3766.14,2198.82
  Bottom Layer w6: v1(3681.1,2090.55) v1(3681.1,2161.42)
NetR17D_1: R17D.1 U2D.13 | length 545.9
  Top Layer w6: v1(2192.91,2099.74) 2220.34,2127.17 2347.64,2127.17 2358.61,2138.13 2358.61,2177.11 U2D.13@2360.63,2179.13 ; R17D.1@2235.83,1814.96 2235.83,1850 2259.84,1874.02 v1(2259.84,2011.81)
  Bottom Layer w6: v1(2192.91,2099.74) 2192.91,2078.74 v1(2259.84,2011.81)
NetR17E_1: R17E.1 U2E.13 | length 545.8
  Top Layer w6: R17E.1@2263.39,2893.7 2263.39,2924.82 2291.34,2952.77 2291.34,3110.24 v1(2330.71,3149.61) ; v1(2370.08,3322.83) 2388.19,3304.72 U2E.13@2388.19,3257.87
  Bottom Layer w6: v1(2330.71,3149.61) 2330.71,3283.46 v1(2370.08,3322.83)
NetR17F_1: R17F.1 U2F.13 | length 541
  Top Layer w6: R17F.1@3668.9,2881.89 3668.9,2887.2 3680.07,2898.38 3685.39,2898.38 3712.03,2925.02 3712.03,3106.5 v1(3743.7,3138.17) ; v1(3779.52,3307.08) 3793.7,3292.9 U2F.13@3793.7,3246.06
  Bottom Layer w6: v1(3743.7,3138.17) 3779.52,3173.99 v1(3779.52,3307.08)
NetR17G_1: R17G.1 U2G.13 | length 560.6
  Top Layer w6: R17G.1@3649.21,3921.26 3650.96,3923.01 3650.96,3946.23 3685.04,3980.32 3685.04,4129.92 3736.22,4181.1 v1(3748.03,4181.1) ; v1(3767.72,4354.33) 3767.72,4349.56 3774.02,4343.26 U2G.13@3774.02,4285.43
  Bottom Layer w6: v1(3748.03,4181.1) 3748.03,4334.65 v1(3767.72,4354.33)
NetR17H_1: R17H.1 U2H.13 | length 544.9
  Top Layer w6: R17H.1@2310.63,3846.46 2310.63,3851.77 2321.8,3862.95 2327.12,3862.95 2346.46,3882.28 2346.46,4074.8 2370.08,4098.43 2403.54,4098.43 v1(2405.51,4100.39) ; v1(2409.45,4263.78) 2435.43,4237.8 U2H.13@2435.43,4210.63
  Bottom Layer w6: v1(2405.51,4100.39) 2405.51,4255.07 2409.45,4259.01 v1(2409.45,4263.78)
NetR23A_2: R23A.2 U3A.4 | length 174.2
  Top Layer w6: R23A.2@4429.13,2062.95 4529.39,2062.95 4549.11,2082.68 U3A.4@4582.68,2082.68 ; R23A.2@4433.07,2045.97 R23A.2@4439.14,2052.04 ; R23A.2@4435.2,2050.91 R23A.2@4439.14,2050.91
NetR23B_2: R23B.2 U3B.4 | length 63.6
  Top Layer w6: 4566.35,3149.61 U3B.4@4629.92,3149.61
NetR23C_2: R23C.2 U3C.4 | length 227.9
  Top Layer w6: R23C.2@3027.56,1996.06 3036.04,1996.06 3053.71,2013.73 3053.71,2022.22 3090.55,2059.06 U3C.4@3224.41,2059.06
NetR23D_2: R23D.2 U3D.4 | length 180.3
  Top Layer w6: R23D.2@1681.1,1948.82 1689.59,1948.82 1707.26,1966.49 1707.26,1974.97 1771.65,2039.37 U3D.4@1818.9,2039.37
NetR23E_2: R23E.2 U3E.4 | length 189.6
  Top Layer w6: R23E.2@1710.94,3038.68 1710.94,3074.87 1712.27,3074.87 1755.51,3118.11 U3E.4@1846.46,3118.11
NetR23F_2: R23F.2 U3F.4 | length 414.2
  Top Layer w6: R23F.2@3066.93,2842.52 3060.98,2842.52 3043.31,2860.19 3043.31,2984.25 3086.61,3027.56 3125.98,3027.56 3204.72,3106.3 U3F.4@3251.97,3106.3
NetR23G_2: R23G.2 U3G.4 | length 87.6
  Top Layer w6: R23G.2@3139.86,4169.29 R23G.2@3151.67,4157.48 ; R23G.2@3161.42,4145.67 U3G.4@3232.28,4145.67
NetR23H_2: R23H.2 U3H.4 | length 182
  Top Layer w6: R23H.2@1736.22,4023.62 1744.71,4023.62 1762.38,4041.29 1762.38,4049.78 1783.46,4070.87 U3H.4@1893.7,4070.87
NetR24A_2: R24A.2 U3A.14 | length 93.2
  Top Layer w6: U3A.14@4795.28,2232.68 4795.28,2256.79 4821.65,2283.16 R24A.2@4821.65,2314.96
NetR24B_2: R24B.2 U3B.14 | length 96.5
  Top Layer w6: U3B.14@4842.52,3299.61 4851,3299.61 4859.82,3308.42 4859.82,3316.9 4864.96,3322.05 R24B.2@4864.96,3381.89
NetR24C_2: R24C.2 U3C.14 | length 93.2
  Top Layer w6: U3C.14@3437.01,2209.06 3437.01,2244.09 3463.39,2270.47 R24C.2@3463.39,2291.34
NetR24D_2: R24D.2 U3D.14 | length 107.6
  Top Layer w6: U3D.14@2031.5,2189.37 2053.25,2189.37 2053.25,2258.93 2053.39,2259.08 2053.39,2263.24 R24D.2@2061.81,2271.65
NetR24E_2: R24E.2 U3E.14 | length 93.2
  Top Layer w6: U3E.14@2059.05,3268.11 2059.05,3294.09 2085.43,3320.47 R24E.2@2085.43,3350.39
NetR24F_2: R24F.2 U3F.14 | length 92.6
  Top Layer w6: U3F.14@3464.57,3256.3 3473.05,3256.3 3481.86,3265.11 3481.86,3273.6 3487.01,3278.74 R24F.2@3487.01,3334.65
NetR24G_2: R24G.2 U3G.14 | length 99.8
  Top Layer w6: U3G.14@3444.88,4295.67 3453.37,4295.67 3462.18,4304.48 3462.18,4312.97 3475.2,4325.98 R24G.2@3475.2,4377.95
NetR24H_2: R24H.2 U3H.14 | length 97.3
  Top Layer w6: U3H.14@2106.3,4220.87 2114.78,4220.87 2123.6,4229.68 2123.6,4238.16 2135,4249.57 2135,4295.46 R24H.2@2139.14,4299.61
P3V3: C1.2 C2A.2 C2B.2 C2C.2 C2D.2 C2E.2 C2F.2 C2G.2 C2H.2 C3A.1 C3B.1 C3C.1 C3D.1 C3E.1 C3F.1 C3G.1 C3H.1 C6A.2 C6B.2 C6C.2 C6D.2 C6E.2 C6F.2 C6G.2 C6H.2 C12.2 C20.1 C21.1 C22.1 C23.1 C24.1 DL1A.2 DL1B.2 DL1C.2 DL1D.2 DL1E.2 DL1F.2 DL1G.2 DL1H.2 DL2A.2 DL2B.2 DL2C.2 DL2D.2 DL2E.2 DL2F.2 DL2G.2 DL2H.2 DL3.2 DL4.2 DL5.2 DL6.2 DL7.2 DL8.2 DL9.2 DL10.2 IC1.3 IC2A.14 IC2B.14 IC2C.14 IC2D.14 IC2E.14 IC2F.14 IC2G.14 IC2H.14 J_PD.2 J_Prog1A.2 J_Prog1B.2 J_Prog1C.2 J_Prog1D.2 J_Prog1E.2 J_Prog1F.2 J_Prog1G.2 J_Prog1H.2 L1.2 LD1.2 LD1.4 LD1.6 LD1.8 LD2.2 LD2.4 LD2.6 LD2.8 OSC1.1 OSC1.4 R9.2 R11.2 R12.2 R13.2 R14.2 R16A.2 R16B.2 R16C.2 R16D.2 R16E.2 R16F.2 R16G.2 R16H.2 R21A.2 R21B.2 R21C.2 R21D.2 R21E.2 R21F.2 R21G.2 R21H.2 U1.9 U1.19 U1.31 U2A.1 U2B.1 U2C.1 U2D.1 U2E.1 U2F.1 U2G.1 U2H.1 | length 40196.7
  Top Layer w20: 1035.35,4740.16 1031.41,4744.09 ; LD2.2@1094.09,4912.2 1031.41,4849.52 1031.41,4744.09 ; LD1.2@1094.49,1960.63 1031.41,2023.7 1031.41,4744.09 ; LD2.8@1395.28,4913.39 2957.32,4913.39 2964.57,4913.39 ; DL1E.2@2137.8,2735.51 2280.51,2735.51 2320,2775 2320,2922.36 2338.58,2940.95 ; DL1H.2@2185.04,3688.27 2328.27,3688.27 2342.52,3702.52 ; 2288.3,1843.3 2305,1860 2367.87,1860 2370.08,1862.2 2373.62,1858.66 R16D.2@2507.87,1858.66 ; 2310.63,1862.2 U2D.1@2310.63,1994.09 ; U2E.1@2338.19,3072.83 2338.19,2940.95 2338.58,2940.95 ; 2385.43,3893.7 U2H.1@2385.43,4025.59 ; C2D.2@2511.81,1793.31 2507.87,1797.24 R16D.2@2507.87,1858.66 ; C2E.2@2539.37,2872.05 2535.43,2875.98 R16E.2@2535.43,2937.4 ; R16H.2@2579.13,3893.7 2444.88,3893.7 2441.34,3890.16 2385.43,3890.16 2365,3869.72 2365,3725 2342.52,3702.52 ; R16H.2@2582.68,3890.16 2582.68,3828.74 C2H.2@2586.61,3824.8 ; R16H.2@2582.83,3890 2754.57,3890 J_Prog1H.2@2762.2,3897.64 2763.78,3899.21 IC2H.14@2763.78,4015.35 ; IC2D.14@2688.98,1983.86 2687.4,1982.28 J_Prog1D.2@2687.4,1866.14 2681.26,1860 2509.21,1860 R16D.2@2507.87,1858.66 ; J_Prog1E.2@2715,2945 2715,3061.06 IC2E.14@2716.54,3062.6 ; J_Prog1E.2@2720.47,2944.88 2714.96,2944.88 2707.48,2937.4 2633.86,2937.4 ; R21H.2@2940.94,4461.02 2945.12,4465.2 2957.32,4465.2 2976.43,4484.31 2976.43,4514.86 2980.57,4518.99 v1(2980.57,4519.97) ; v2(2961.8,4714.84) 2964.57,4717.61 2964.57,4913.39 ; R21E.2@3023.62,3164.49 3018.31,3164.49 3014.13,3160.31 3014.13,3147.32 2984.25,3117.44 2984.25,2656.14 2987.52,2652.88 ; DL1C.2@3515.75,1683.07 DL2C.2@3614.17,1683.07 3668.07,1683.07 3678.23,1693.23 ; DL1G.2@3523.62,3763.07 DL2G.2@3622.05,3763.07 ; U2C.1@3716.14,2013.78 3715,2012.64 3715,1881.89 3716.54,1881.89 3712.99,1878.35 ; 3724.02,3968.5 U2G.1@3724.02,4100.39 ; U2F.1@3743.7,3061.02 3743.7,2925.2 ; 3744.09,2925.59 3743.7,2925.2 ; 3751.97,1578.74 3751.97,1622.05 3679.51,1694.51 3695,1710 3695,1860.35 3712.99,1878.35 ; C3G.1@3786.97,3965 3720,3965 3705,3950 3705,3800 3668.07,3763.07 DL2G.2@3622.05,3763.07 ; C3G.1@3787.01,3964.96 R16G.2@3921.26,3964.96 ; C3F.1@3799.02,2925 3743.7,2925 3743.7,2925.2 ; C3F.1@3806.69,2925.59 R16F.2@3940.94,2925.59 ; C2C.2@3917.32,1812.99 3917.32,1817.32 3913.39,1821.26 R16C.2@3913.39,1878.35 ; C2G.2@3925.2,3899.61 3921.26,3903.54 R16G.2@3921.26,3964.96 ; C2F.2@3944.88,2860.24 3940.94,2864.17 R16F.2@3940.94,2925.59 ; IC2C.14@4094.49,2003.54 4092.91,2001.97 J_Prog1C.2@4092.91,1885.83 4087.09,1880 3915.04,1880 R16C.2@3913.39,1878.35 ; IC2G.14@4102.36,4090.16 4100.79,4088.58 J_Prog1G.2@4100.79,3972.44 4093.35,3965 R16G.2@3921.26,3964.96 R16G.2@3921.26,3964.96 ; IC2F.14@4122.05,3050.79 4120.47,3049.21 J_Prog1F.2@4120.47,2933.07 ; R21G.2@4570.49,4068.5 4570.49,3835.77 4618.85,3787.4 4803.15,3787.4 v2(4830.71,3759.84) ; v1(4580.59,2746.06) 4210.63,2746.06 4173.23,2783.46 4173.23,2880.32 J_Prog1F.2@4120.47,2933.07 ; v1(4665.35,2748.03) 4893.29,2748.03 4912.26,2767.01 4921.26,2767.01 5067.01,2767.01 5100,2800 5100,2955 5117.44,2972.44 5181.1,2972.44 5184.65,2968.9 R16B.2@5318.9,2968.9 ; DL1A.2@4874.02,1700.08 4972.44,1700.08 4973.15,1700.79 5023.62,1700.79 5059.06,1736.22 5059.06,1884.06 5069.41,1894.41 ; J_PD.2@4885,4740 J_PD.2@4883.52,4740 ; L1.2@4996.06,4107.44 4996.06,4051.18 4872.05,3927.17 4872.05,3801.18 v2(4830.71,3759.84) ; OSC1.4@5005.83,2415.69 OSC1.1@5120,2415.69 5195.2,2415.69 C12.2@5197.91,2418.4 5253.05,2418.4 v1(5358.27,2523.62) ; R9.2@5035,4452.36 5035,4468.94 v2(4974.41,4529.53) 4923.46,4580.47 4839.53,4580.47 4810,4610 4810,4666.48 J_PD.2@4883.52,4740 ; U2A.1@5074.41,2037.4 5074.41,1900 5128.35,1900 5133.86,1905.51 5137.4,1901.97 R16A.2@5271.65,1901.97 5275,1898.62 5275,1837.2 C2A.2@5275.59,1836.61 ; 5121.65,2975.79 U2B.1@5121.65,3104.33 ; U1.31@5245.51,4457.44 5245.51,4385.83 5244.17,4385.83 v2(5245.51,4384.49) 5245.51,4381.89 5303.15,4381.89 5389.76,4295.28 v2(5448.82,4295.28) 5451.54,4297.99 U1.19@5562.44,4297.99 ; 5271.65,3657.48 5263.53,3665.61 5263.53,3775.3 5267.72,3779.49 5267.72,3799.21 5280,3811.5 5280,3859.57 5280.43,3860 C24.1@5396.1,3860 5396.1,3900.04 5434.49,3938.43 U1.9@5434.49,4012.56 ; C2A.2@5279.53,1842.52 C2A.2@5275.59,1838.58 5367.91,1838.58 5381.89,1852.56 ; DL10.2@5322.05,5012 5324.41,5014.36 5324.41,5051.18 5351.97,5078.74 5503.94,5078.74 ; C2B.2@5322.83,2903.54 5320,2906.38 5320,2967.8 R16B.2@5318.9,2968.9 ; v1(5358.27,2663.39) 5358.96,2664.08 5358.96,2676.28 5459.45,2776.77 ; J_Prog1A.2@5451.18,1909.45 5451.18,2025.59 IC2A.14@5452.76,2027.17 ; R21B.2@5468.11,3555.12 5523.46,3555.12 v1(5523.62,3555.28) ; J_Prog1B.2@5497.05,2975 5491.65,2969.61 5409.45,2969.61 ; J_Prog1B.2@5500,2977.95 IC2B.14@5500,3094.09 ; DL8.2@5500.79,5012 5500.79,5075.59 5503.94,5078.74 ; v2(5653.54,2744.09) 5492.13,2744.09 5459.45,2776.77 ; DL6.2@5687.4,5012 5687.4,5077.16 5688.98,5078.74 ; v2(5751.97,4114.17) 5809.06,4114.17 5999.69,3923.54 6100,3923.54 ; 5763.78,1692.91 5767.72,1696.85 5767.72,1987.8 5830.9,2050.98 R21A.2@5830.9,2122.44 ; DL4.2@5862.2,5012 5862.2,5070.86 5870.08,5078.74 ; C22.1@5988.19,3923.23 6366.77,3923.23 v2(6572.83,3717.17) R12.2@6790,3717.17 ; DL9.2@6025.98,5012 6025.98,5072.44 6019.69,5078.74 ; DL7.2@6185.04,5012 6185.04,5074.8 6181.1,5078.74 ; IC1.3@6232.28,3284.65 6507.48,3284.65 6555.12,3332.28 6555.12,3438.51 6572.91,3456.31 v2(6572.91,3459.91) ; DL5.2@6351.97,5012 6351.97,5078.74 ; R12.2@6790,3721.5 6790,3909.17 7019.43,4138.6 7019.43,4141.44 7102.36,4224.37 7102.36,4830.31 6920.68,5012 DL3.2@6522.83,5012 6518.93,5015.91 6518.93,5048 6488.19,5078.74 6351.97,5078.74 ; 2338.58,2940.95 2397.64,2940.95 2401.18,2937.4 R16E.2@2535.43,2937.4 ; 2342.52,3702.52 2450.8,3594.24 3003.65,3594.24 3004.15,3594.74 3298.96,3594.74 3330.96,3562.74 3661.17,3562.74 3673.23,3574.8 ; R16E.2@2535.43,2937.4 2633.86,2937.4 ; 2633.86,2937.4 2633.86,2824.66 2706.55,2751.97 2830.71,2751.97 2920.03,2665.35 2932.51,2652.88 2987.52,2652.88 ; 2964.57,4913.39 4854.33,4913.39 4883.52,4884.2 J_PD.2@4883.52,4740 ; 2987.52,2652.88 2992.79,2652.88 3070.87,2574.8 3124.49,2574.8 3175.67,2625.98 3333.52,2625.98 3334.03,2626.5 3488.7,2626.5 3543.31,2681.1 3543.31,2723.7 3683.7,2723.7 3725,2765 3725,2906.5 3743.7,2925.2 ; DL2G.2@3622.05,3763.07 3622.05,3625.98 3673.23,3574.8 ; 3673.23,3574.8 3708.91,3539.12 4609.98,3539.12 v2(4830.71,3759.84) ; 3712.99,1878.35 R16C.2@3913.39,1878.35 ; R16F.2@3940.94,2925.59 3941.54,2925 4112.4,2925 J_Prog1F.2@4120.47,2933.07 ; R16B.2@5318.9,2968.9 5320,2970 5320.39,2969.61 5409.45,2969.61 ; 5409.45,2969.61 5409.45,2826.77 5459.45,2776.77 ; 5503.94,5078.74 5688.98,5078.74 ; 5688.98,5078.74 5870.08,5078.74 ; 5870.08,5078.74 6019.69,5078.74 ; 6019.69,5078.74 6181.1,5078.74 ; 6181.1,5078.74 6351.97,5078.74
  Top Layer w39.37: DL1D.2@2110.24,1663.39 DL2D.2@2208.66,1663.39 ; DL2D.2@2208.98,1663.07 2269.97,1663.07 ; 2266.96,1660.75 2276.47,1651.24 ; 2286.76,1661.53 2286.76,1841.76 ; 2288.3,1663.07 2288.3,1639.41 2364.71,1563 3041.22,1563 3056.96,1578.74 3751.97,1578.74 4561.15,1578.74 4563.21,1576.68 5319.51,1576.68 5435.75,1692.91 ; v2(4937.01,3657.48) 5202.88,3657.48 5204.94,3655.42 5236,3655.42 5238.07,3657.48 5271.65,3657.48 v1(5523.62,3657.48) 5812.99,3657.48 5889.76,3580.71 5889.76,3163.25 5902.41,3150.61 5902.41,3135.11 5915.06,3122.47 5915.06,3083.96 5913.37,3082.28 ; J_Prog1A.2@5451.18,1909.45 5445.85,1909.45 5436.41,1900 5429.33,1900 5381.89,1852.56 5381.89,1746.77 5435.75,1692.91 ; 5920.7,3038.67 C23.1@5976.38,3038.67 ; C23.1@5980.31,3071.02 5924.64,3071.02 5913.37,3082.28 ; C23.1@5992.13,3053.15 5992.13,3071.02 6003.94,3082.83 6003.94,3111.9 6035.65,3143.61 C20.1@6051.18,3143.61 6109.95,3143.61 6232.28,3265.95 IC1.3@6232.28,3284.65 ; 5435.75,1692.91 5763.78,1692.91 5809.06,1692.91 5956.68,1840.54 5956.68,2500.01 5913.37,2543.32 v2(5913.37,2881.88) 5913.37,3082.28
  Bottom Layer w20: LD2.2@1094.09,4912.2 LD2.4@1194.09,4912.2 LD2.6@1294.09,4912.2 LD2.8@1394.09,4912.2 ; LD1.2@1094.49,1960.63 LD1.4@1194.49,1960.63 LD1.6@1294.49,1960.63 LD1.8@1394.49,1960.63 ; v2(2961.8,4714.84) 2959.21,4712.25 2959.21,4665.16 2957.32,4663.27 2957.32,4621.42 2980.57,4598.17 v1(2980.57,4519.97) ; v1(4580.59,2746.06) 4663.39,2746.06 v1(4665.35,2748.03) ; J_PD.2@4883.52,4740 J_PD.2@4885,4740 ; v2@4972.44,4529.53 v2(4974.41,4529.53) 5100.47,4529.53 v2(5245.51,4384.49) ; v1(5358.27,2523.62) v1(5358.27,2663.39) ; v2(5448.82,4295.28) 5543.31,4295.28 5724.41,4114.17 v2(5751.97,4114.17) ; v1(5523.62,3555.28) v1(5523.62,3657.48) ; v2(6572.83,3717.17) 6572.91,3717.09 v2(6572.91,3459.91)
  Bottom Layer w40: v2(4830.71,3759.84) 4834.65,3759.84 v2(4937.01,3657.48) ; v2(5653.54,2744.09) 5775.58,2744.09 v2(5913.37,2881.88)